# KiCad board IMXDesign.kicad_pcb (continued)
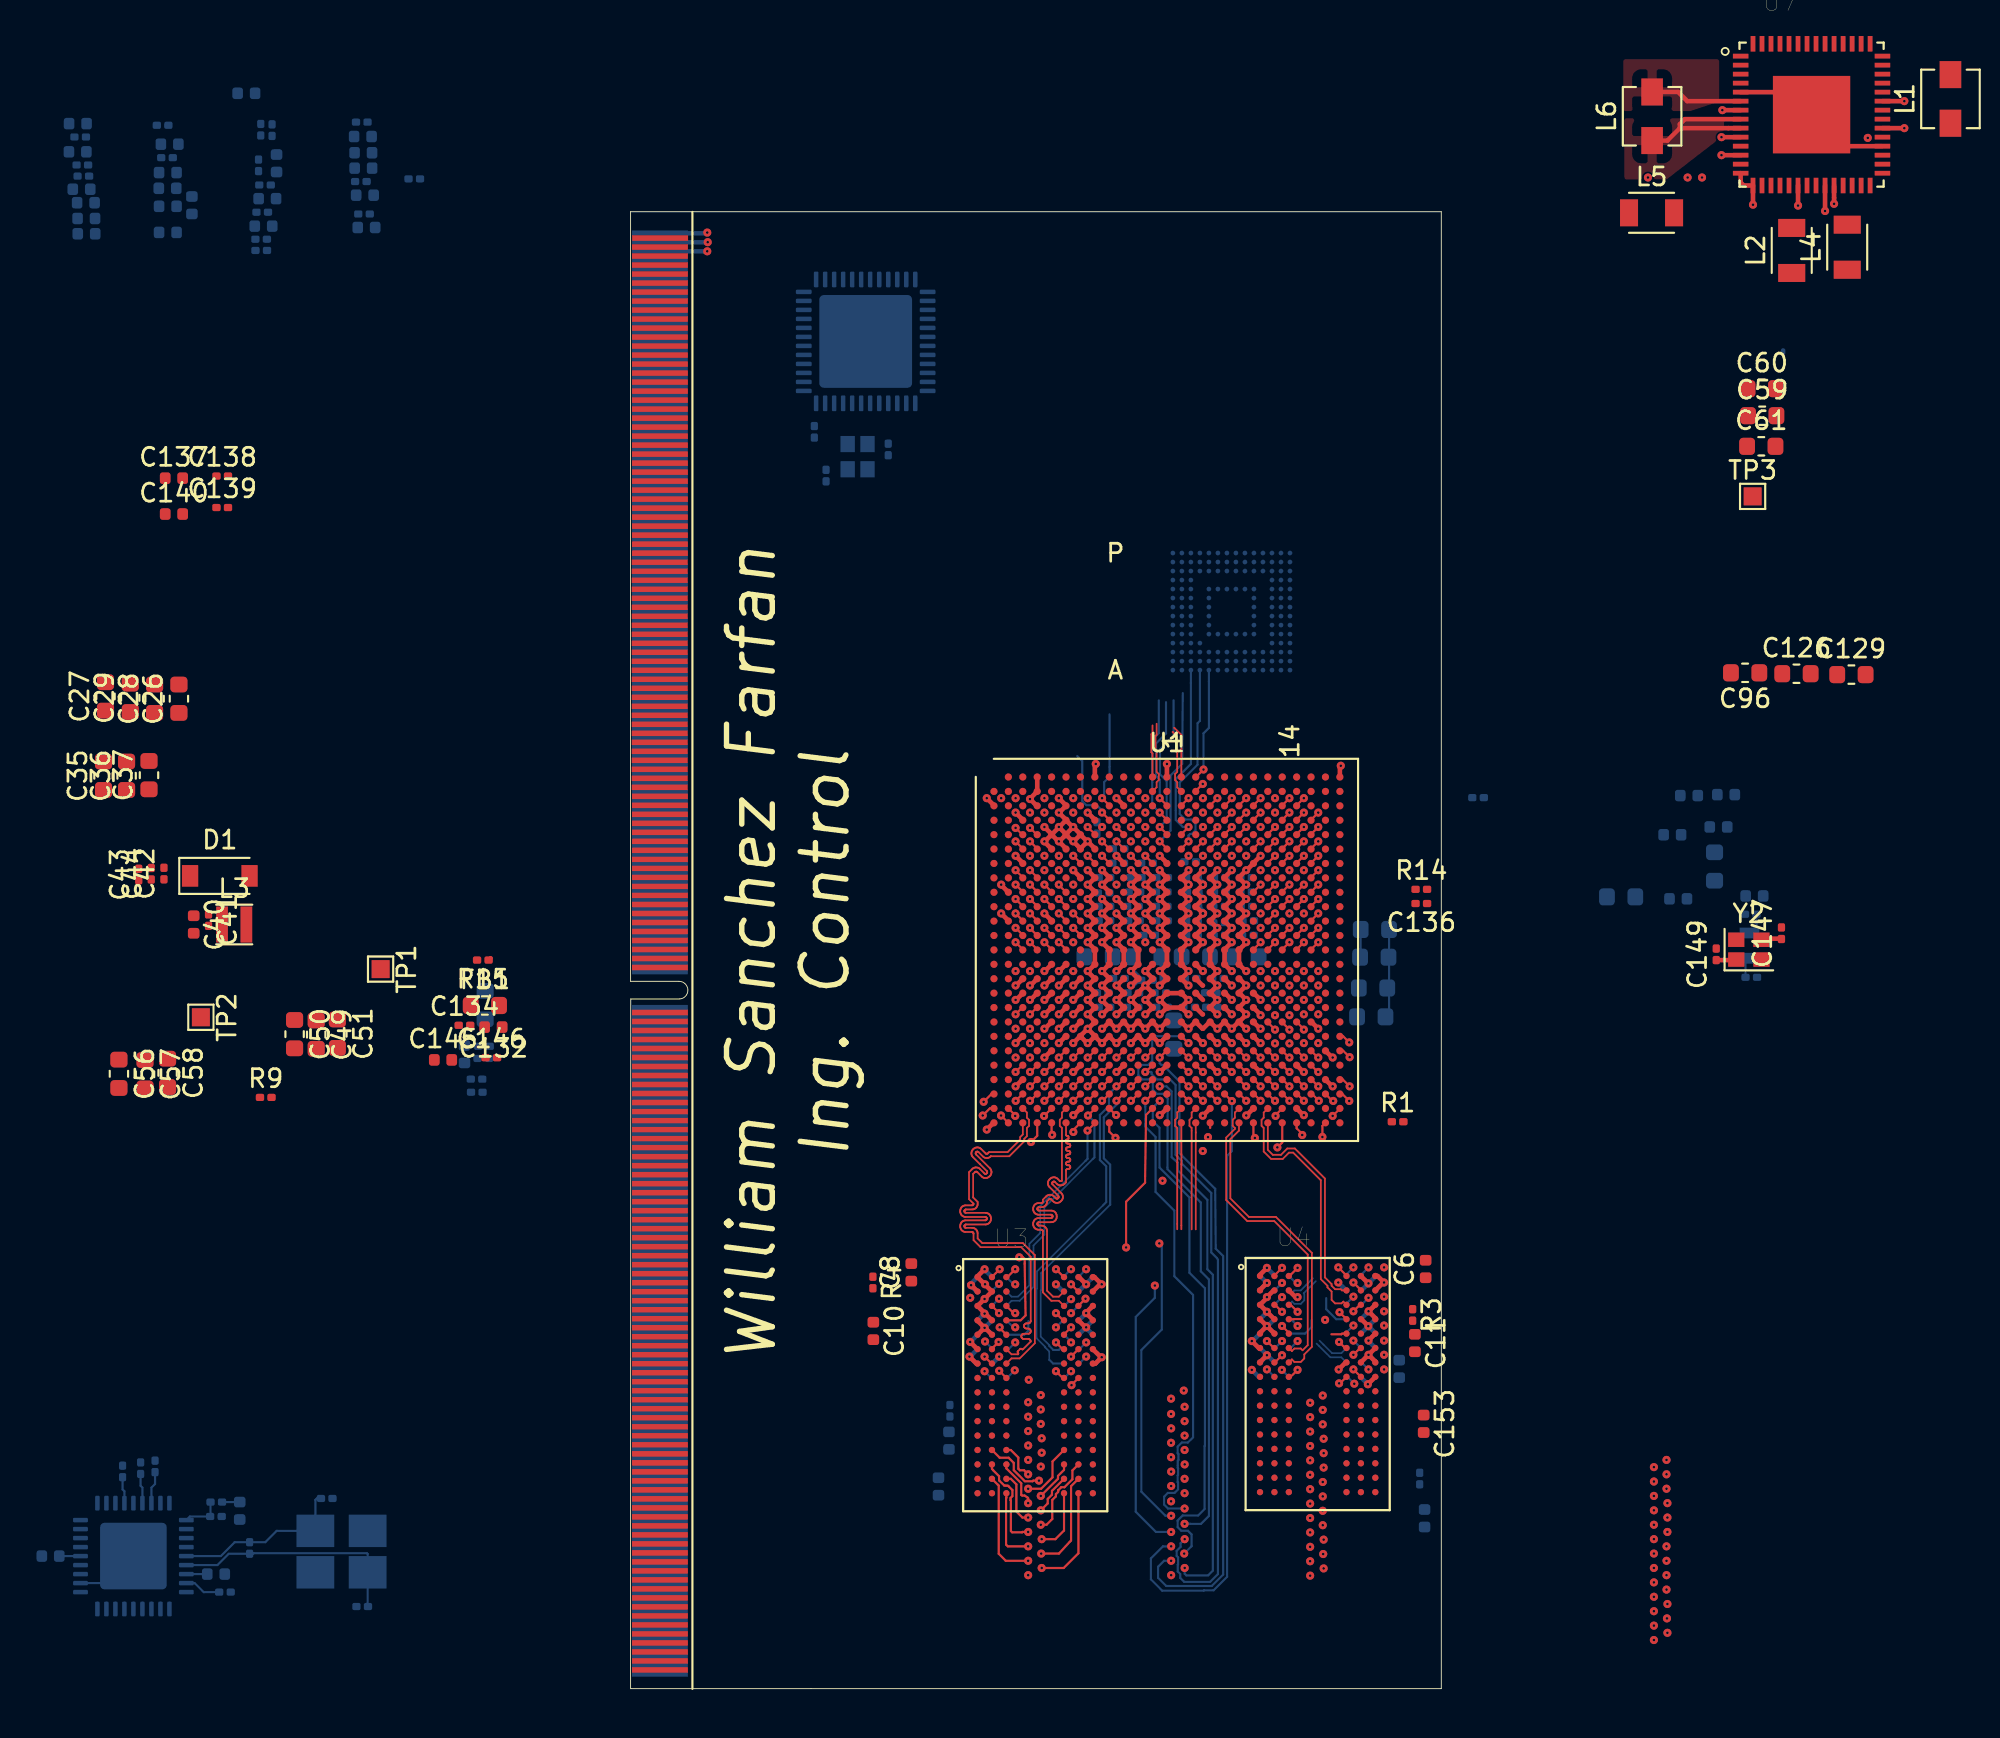
[diagram p0: board, top side]
## Routing (per net, layer and track width the routed paths; a pad name or vN(x,y) marks a point on that pad's centre or on a via; arc(x,y) is an arc through that point) (continued)
/DDR3_Memory/CPU_DDR3/DRAM_D16: length 17
  Top w0.119: U1.AB7 24.59,33.44 v1(24.57,33.44)
  In1.Cu w0.114: v1(24.57,33.44) 24.56,33.44
  In1.Cu w0.119: v1(21.35,20.06) 22.24,20.06 22.72,20.55 22.72,21.14 22.72,21.14 22.72,24.32 23.29,24.89 23.24,28.72 24.12,29.6 24.12,31.96 24.39,32.22 24.75,32.22 24.95,32.42 24.95,32.82 24.57,33.21 v1(24.57,33.44)
  Bottom w0.114: v1(21.35,20.06) 21.25,20.06 U2.D7
/DDR3_Memory/CPU_DDR3/DRAM_D17: length 16.6
  Top w0.119: U1.AA8 25.77,34.64 v1(25.37,34.24)
  In1.Cu w0.119: v1(25.37,34.24) 24.99,33.86 24.39,33.86 24.15,33.62 24.15,32.46 23.91,32.21 23.91,30.08 22.78,28.95 22.78,25.34 22.5,25.06 22.5,22.93 21.22,21.65 v1(20.45,21.65)
  Bottom w0.114: v1(20.45,21.65) 20.06,21.26 U2.C8
/DDR3_Memory/CPU_DDR3/DRAM_D18: length 16.6
  Top w0.119: v1(26.17,33.44) 26.19,33.44 U1.AB9
  In1.Cu w0.119: v1(24.45,21.62) 24.06,22.01 24.06,23.74 24.33,24 24.33,24.45 24.33,24.46 24.33,24.47 24.34,24.48 24.34,24.49 24.35,24.5 24.36,24.5 24.39,24.5 24.4,24.5 24.41,24.51 24.41,24.52 24.42,24.53 24.42,24.54 24.42,24.55 24.42,24.75 24.42,24.76 24.42,24.77 24.41,24.78 24.41,24.79 24.4,24.8 24.39,24.8 24.38,24.8 24.28,24.8 24.26,24.8 24.25,24.8 24.24,24.81 24.24,24.82 24.23,24.83 24.23,24.84 24.22,24.85 24.22,25.05 24.23,25.06 24.23,25.07 24.24,25.08 24.24,25.09 24.25,25.1 24.26,25.1 24.28,25.1 24.38,25.1 24.39,25.1 24.4,25.1 24.41,25.11 24.41,25.12 24.42,25.13 24.42,25.14 24.42,25.15 24.42,25.35 24.42,25.36 24.42,25.37 24.41,25.38 24.41,25.39 24.4,25.4 24.39,25.4 24.38,25.4 24.28,25.4 24.26,25.4 24.25,25.4 24.24,25.41 24.24,25.42 24.23,25.43 24.23,25.44 24.22,25.45 24.22,25.65 24.23,25.66 24.23,25.67 24.24,25.68 24.24,25.69 24.25,25.7 24.26,25.7 24.28,25.7 24.38,25.7 24.39,25.7 24.4,25.7 24.41,25.71 24.41,25.72 24.42,25.73 24.42,25.74 24.42,25.75 24.42,25.95 24.42,25.96 24.42,25.97 24.41,25.98 24.41,25.99 24.4,26 24.39,26 24.38,26 24.28,26 24.26,26 24.25,26 24.24,26.01 24.24,26.02 24.23,26.03 24.23,26.04 24.22,26.05 24.22,26.25 24.23,26.26 24.23,26.27 24.24,26.28 24.24,26.29 24.25,26.3 24.26,26.3 24.28,26.3 24.38,26.3 24.39,26.3 24.4,26.3 24.41,26.31 24.41,26.32 24.42,26.33 24.42,26.34 24.42,26.35 24.42,26.55 24.42,26.56 24.42,26.57 24.41,26.58 24.41,26.59 24.4,26.6 24.39,26.6 24.38,26.6 24.28,26.6 24.26,26.6 24.25,26.6 24.24,26.61 24.24,26.62 24.23,26.63 24.23,26.64 24.22,26.65 24.22,26.85 24.23,26.86 24.23,26.87 24.24,26.88 24.24,26.89 24.25,26.9 24.26,26.9 24.28,26.9 24.38,26.9 24.39,26.9 24.4,26.9 24.41,26.91 24.41,26.92 24.42,26.93 24.42,26.94 24.42,26.95 24.42,27.15 24.42,27.16 24.42,27.17 24.41,27.18 24.41,27.19 24.4,27.2 24.39,27.2 24.38,27.2 24.28,27.2 24.26,27.2 24.25,27.2 24.24,27.21 24.24,27.22 24.23,27.23 24.23,27.24 24.22,27.25 24.22,27.45 24.23,27.46 24.23,27.47 24.24,27.48 24.24,27.49 24.25,27.5 24.26,27.5 24.29,27.5 24.3,27.5 24.31,27.51 24.31,27.52 24.32,27.53 24.32,27.54 24.33,27.55 24.33,28.1 24.33,28.11 24.34,28.11 24.35,28.11 24.37,28.11 24.38,28.11 24.39,28.11 24.4,28.09 24.41,28.09 24.43,28.09 24.44,28.09 24.45,28.09 24.46,28.09 24.47,28.1 24.61,28.24 24.61,28.25 24.62,28.26 24.62,28.27 24.62,28.28 24.62,28.29 24.61,28.3 24.61,28.31 24.54,28.38 24.53,28.39 24.53,28.4 24.52,28.41 24.52,28.42 24.53,28.43 24.53,28.44 24.54,28.45 24.68,28.59 24.69,28.6 24.7,28.61 24.71,28.61 24.72,28.61 24.73,28.61 24.74,28.6 24.76,28.59 24.77,28.58 24.78,28.58 24.79,28.58 24.8,28.58 24.81,28.59 24.83,28.6 24.84,28.61 24.85,28.61 24.86,28.61 24.87,28.61 24.88,28.6 24.9,28.59 24.91,28.58 24.92,28.58 24.93,28.58 24.94,28.58 24.95,28.59 24.96,28.59 25.1,28.74 25.11,28.75 25.11,28.76 25.12,28.77 25.12,28.78 25.11,28.79 25.11,28.8 25.1,28.81 25.03,28.88 25.03,28.89 25.02,28.9 25.02,28.91 25.02,28.92 25.02,28.93 25.03,28.94 25.03,28.95 25.17,29.09 25.18,29.1 25.19,29.1 25.2,29.1 25.21,29.1 25.23,29.1 25.24,29.1 25.25,29.08 25.26,29.08 25.27,29.08 25.29,29.08 25.3,29.08 25.31,29.08 25.31,29.09 25.32,29.1 25.33,29.11 25.33,29.12 25.33,29.13 25.33,29.14 25.32,29.15 25.31,29.17 25.3,29.18 25.3,29.19 25.3,29.2 25.3,29.21 25.31,29.22 25.31,29.23 25.46,29.37 25.47,29.38 25.48,29.38 25.49,29.39 25.5,29.39 25.51,29.38 25.52,29.38 25.54,29.37 25.55,29.36 25.56,29.36 25.57,29.36 25.58,29.36 25.59,29.37 25.6,29.37 25.74,29.51 25.75,29.52 25.75,29.53 25.75,29.54 25.75,29.56 25.75,29.57 25.75,29.58 25.73,29.59 25.73,29.6 25.72,29.61 25.72,29.63 25.73,29.64 25.73,29.65 25.74,29.66 25.88,29.8 25.89,29.8 25.9,29.81 25.91,29.81 25.92,29.81 25.93,29.81 25.94,29.8 25.96,29.79 25.97,29.79 25.98,29.78 25.99,29.78 26,29.79 26.01,29.79 26.02,29.8 26.53,30.3 26.53,31.6 26.55,31.63 26.55,33.06 v1(26.17,33.44)
  Bottom w0.114: U2.C3 24.02,21.25
  Bottom w0.119: U2.C3 24.08,21.25 v1(24.45,21.62)
/DDR3_Memory/CPU_DDR3/DRAM_D19: length 16.5
  Top w0.119: v1(26.17,35.04) 26.19,35.04 U1.Y9
  In1.Cu w0.119: v1(25.29,23.29) 25.51,23.51 25.51,26.25 25.51,26.27 25.5,26.28 25.5,26.3 25.48,26.31 25.47,26.32 25.45,26.32 25.42,26.33 25.4,26.33 25.39,26.34 25.38,26.35 25.37,26.37 25.36,26.38 25.36,26.4 25.36,26.7 25.36,26.72 25.37,26.73 25.38,26.75 25.39,26.76 25.4,26.77 25.42,26.77 25.44,26.78 25.59,26.78 25.6,26.78 25.62,26.78 25.63,26.79 25.65,26.8 25.65,26.82 25.66,26.83 25.66,26.85 25.66,27.15 25.66,27.17 25.65,27.18 25.65,27.2 25.63,27.21 25.62,27.22 25.6,27.22 25.59,27.23 25.44,27.23 25.42,27.23 25.4,27.23 25.39,27.24 25.38,27.25 25.37,27.27 25.36,27.28 25.36,27.3 25.36,27.6 25.36,27.62 25.37,27.63 25.38,27.65 25.39,27.66 25.4,27.67 25.42,27.67 25.45,27.68 25.47,27.68 25.48,27.69 25.5,27.7 25.5,27.72 25.51,27.73 25.51,27.75 25.51,28.05 25.75,28.29 25.76,28.3 25.78,28.31 25.8,28.31 25.81,28.31 25.83,28.31 25.84,28.3 25.87,28.28 25.88,28.27 25.9,28.27 25.92,28.27 25.93,28.27 25.95,28.28 25.96,28.29 26.17,28.5 26.19,28.51 26.19,28.53 26.2,28.55 26.2,28.56 26.19,28.58 26.19,28.59 26.17,28.61 26.07,28.71 26.06,28.73 26.05,28.74 26.05,28.76 26.05,28.78 26.05,28.79 26.06,28.81 26.07,28.82 26.28,29.03 26.29,29.04 26.31,29.05 26.33,29.05 26.34,29.05 26.36,29.05 26.37,29.04 26.4,29.02 26.42,29.01 26.43,29.01 26.45,29.01 26.46,29.01 26.48,29.02 26.49,29.03 27.38,29.91 27.38,30.16 28.15,30.94 28.15,33.62 27.92,33.86 27.59,33.86 27.35,34.09 27.35,34.42 27.12,34.66 26.55,34.66 v1(26.17,35.04)
  Bottom w0.114: v1(25.29,23.29) 24.86,22.86 U2.A2
/DDR3_Memory/CPU_DDR3/DRAM_D20: length 16.5
  Top w0.119: v1(24.57,35.04) 24.59,35.04 U1.Y7
  In1.Cu w0.119: v1(20.45,22.47) 20.77,22.47 21.2,22.9 21.53,22.9 22.02,23.38 22.02,29.18 22.06,29.23 22.08,29.28 22.8,30 22.8,31.38 22.57,31.61 22.57,33.6 22.79,33.82 23.15,33.82 23.39,34.06 23.39,34.42 23.62,34.66 23.95,34.66 24.34,35.04 v1(24.57,35.04)
  Bottom w0.114: v1(20.45,22.47) 20.06,22.08 U2.B8 20.05,22.05
/DDR3_Memory/CPU_DDR3/DRAM_D21: length 16.5
  Top w0.119: U1.Y8 25.39,35.04 v1(25.37,35.04)
  In1.Cu w0.114: 22.24,24.66 22.24,23.02 21.67,22.45 v1(21.35,22.45) ; 23.35,31.36 23.35,33.62 23.59,33.86 23.95,33.86 24.15,34.06 24.15,34.42 24.35,34.62 24.72,34.62 25.14,35.04 v1(25.37,35.04)
  In1.Cu w0.119: 22.24,24.66 22.24,25.11 22.35,25.22 22.35,27.88 22.35,27.9 22.36,27.91 22.37,27.92 22.38,27.93 22.39,27.94 22.4,27.95 22.43,27.95 22.45,27.96 22.46,27.97 22.47,27.98 22.48,27.99 22.49,28 22.49,28.02 22.49,28.48 22.49,28.5 22.48,28.51 22.47,28.52 22.46,28.53 22.45,28.54 22.43,28.55 22.42,28.55 22.3,28.55 22.29,28.55 22.28,28.55 22.27,28.56 22.26,28.57 22.25,28.58 22.25,28.59 22.25,28.6 22.25,29.1 22.25,29.11 22.25,29.12 22.26,29.13 22.27,29.14 22.28,29.15 22.29,29.15 22.31,29.15 22.32,29.15 22.33,29.16 22.34,29.17 22.35,29.18 22.35,29.19 22.35,29.2 23.02,29.87 23.02,31.03 23.35,31.36
  Bottom w0.114: v1(21.35,22.45) 21.26,22.45 U2.A7
/DDR3_Memory/CPU_DDR3/DRAM_D22: length 16.5
  Top w0.119: U1.AC8 25.39,32.64 v1(25.37,32.64)
  In1.Cu w0.119: v1(24.45,20.85) 24.15,20.85 24,21 24,21.03 23.78,21.25 23.25,21.25 22.94,21.56 22.94,21.57 22.94,21.58 22.95,21.59 22.96,21.6 22.97,21.61 22.98,21.61 23,21.61 23.01,21.62 23.02,21.62 23.03,21.63 23.03,21.64 23.04,21.65 23.04,21.66 23.04,21.8 23.04,21.81 23.03,21.82 23.03,21.83 23.02,21.84 23.01,21.85 23,21.85 22.98,21.85 22.97,21.85 22.96,21.86 22.95,21.87 22.94,21.88 22.94,21.89 22.94,21.9 22.94,24.23 22.95,24.24 22.97,24.25 22.98,24.25 23,24.25 23.02,24.25 23.03,24.24 23.06,24.22 23.07,24.21 23.09,24.21 23.11,24.21 23.12,24.21 23.14,24.22 23.15,24.23 23.21,24.29 23.22,24.3 23.23,24.32 23.23,24.34 23.23,24.35 23.23,24.37 23.22,24.38 23.2,24.41 23.2,24.43 23.19,24.44 23.19,24.46 23.2,24.47 23.2,24.49 23.21,24.5 23.51,24.8 23.47,27.7 23.47,28.14 23.51,28.17 23.52,28.18 23.53,28.2 23.53,28.22 23.53,28.23 23.53,28.25 23.52,28.26 23.5,28.29 23.49,28.3 23.49,28.32 23.49,28.34 23.49,28.35 23.5,28.37 23.51,28.38 23.57,28.45 23.59,28.46 23.6,28.46 23.62,28.47 23.63,28.47 23.65,28.46 23.67,28.46 23.69,28.43 23.71,28.43 23.72,28.42 23.74,28.42 23.76,28.43 23.77,28.43 23.78,28.45 23.85,28.51 23.86,28.52 23.87,28.54 23.87,28.55 23.87,28.57 23.87,28.59 23.86,28.6 23.84,28.63 23.83,28.64 23.83,28.66 23.83,28.67 23.83,28.69 23.84,28.71 23.85,28.72 23.91,28.78 23.92,28.79 23.94,28.8 23.96,28.8 23.97,28.8 23.99,28.8 24,28.79 24.03,28.77 24.04,28.76 24.06,28.76 24.08,28.76 24.09,28.76 24.11,28.77 24.12,28.78 24.19,28.85 24.2,28.86 24.2,28.87 24.21,28.89 24.21,28.91 24.2,28.92 24.2,28.94 24.18,28.96 24.17,28.98 24.16,29 24.16,29.01 24.17,29.03 24.18,29.04 24.19,29.06 24.25,29.12 24.26,29.13 24.28,29.14 24.29,29.14 24.31,29.14 24.33,29.14 24.34,29.13 24.37,29.11 24.38,29.1 24.4,29.1 24.42,29.1 24.43,29.1 24.45,29.11 24.46,29.12 24.96,29.62 24.96,29.64 24.95,29.65 24.94,29.67 24.93,29.68 24.92,29.69 24.9,29.69 24.87,29.7 24.85,29.7 24.84,29.71 24.83,29.72 24.82,29.74 24.81,29.75 24.81,29.77 24.81,29.86 24.81,29.88 24.82,29.89 24.83,29.91 24.84,29.92 24.85,29.93 24.87,29.93 24.89,29.93 24.96,29.93 25.03,29.93 25.05,29.94 25.07,29.94 25.08,29.95 25.09,29.96 25.1,29.98 25.11,29.99 25.11,30.01 25.11,30.1 25.11,30.12 25.1,30.13 25.09,30.14 25.08,30.16 25.07,30.17 25.05,30.17 25.03,30.17 24.89,30.17 24.87,30.17 24.85,30.18 24.84,30.19 24.83,30.2 24.82,30.22 24.81,30.23 24.81,30.25 24.81,30.34 24.81,30.35 24.82,30.37 24.83,30.38 24.84,30.4 24.85,30.4 24.87,30.41 24.9,30.41 24.92,30.42 24.93,30.43 24.94,30.44 24.95,30.45 24.96,30.47 24.96,30.49 24.96,31.96 25.2,32.21 25.26,32.21 25.37,32.32 v1(25.37,32.64)
  Bottom w0.114: v1(24.45,20.85) 24.85,21.25 U2.C2
/DDR3_Memory/CPU_DDR3/DRAM_D23: length 16.5
  Top w0.119: v1(26.17,34.24) 26.19,34.24 U1.AA9
  In1.Cu w0.119: v1(24.45,23.29) 25.08,23.91 25.08,23.93 25.08,23.95 25.09,23.96 25.1,23.97 25.12,23.98 25.13,23.99 25.17,23.99 25.18,24 25.2,24 25.21,24.02 25.22,24.03 25.22,24.05 25.22,24.06 25.22,24.21 25.22,24.23 25.22,24.25 25.21,24.26 25.2,24.27 25.18,24.28 25.17,24.29 25.15,24.29 25,24.29 24.98,24.29 24.97,24.3 24.95,24.3 24.94,24.32 24.93,24.33 24.93,24.35 24.92,24.36 24.92,24.51 24.93,24.53 24.93,24.55 24.94,24.56 24.95,24.57 24.97,24.58 24.98,24.59 25,24.59 25.15,24.59 25.17,24.59 25.18,24.6 25.2,24.6 25.21,24.62 25.22,24.63 25.22,24.65 25.22,24.66 25.22,24.81 25.22,24.83 25.22,24.85 25.21,24.86 25.2,24.87 25.18,24.88 25.17,24.89 25.15,24.89 25,24.89 24.98,24.89 24.97,24.9 24.95,24.9 24.94,24.92 24.93,24.93 24.93,24.95 24.92,24.96 24.92,25.11 24.93,25.13 24.93,25.15 24.94,25.16 24.95,25.17 24.97,25.18 24.98,25.19 25,25.19 25.15,25.19 25.17,25.19 25.18,25.2 25.2,25.2 25.21,25.22 25.22,25.23 25.22,25.25 25.22,25.26 25.22,25.41 25.22,25.43 25.22,25.45 25.21,25.46 25.2,25.47 25.18,25.48 25.17,25.49 25.15,25.49 25,25.49 24.98,25.49 24.97,25.5 24.95,25.5 24.94,25.52 24.93,25.53 24.93,25.55 24.92,25.56 24.92,25.71 24.93,25.73 24.93,25.75 24.94,25.76 24.95,25.77 24.97,25.78 24.98,25.79 25,25.79 25.15,25.79 25.17,25.79 25.18,25.8 25.2,25.8 25.21,25.82 25.22,25.83 25.22,25.85 25.22,25.86 25.22,26.01 25.22,26.03 25.22,26.05 25.21,26.06 25.2,26.07 25.18,26.08 25.17,26.09 25.15,26.09 25,26.09 24.98,26.09 24.97,26.1 24.95,26.1 24.94,26.12 24.93,26.13 24.93,26.15 24.92,26.16 24.92,26.31 24.93,26.33 24.93,26.35 24.94,26.36 24.95,26.37 24.97,26.38 24.98,26.39 25.02,26.39 25.03,26.4 25.05,26.4 25.06,26.42 25.07,26.43 25.07,26.45 25.08,26.46 25.07,26.48 25.07,26.5 25.06,26.51 25.05,26.52 25.03,26.53 25.02,26.54 24.98,26.54 24.97,26.55 24.95,26.55 24.94,26.57 24.93,26.58 24.93,26.6 24.92,26.61 24.92,26.76 24.93,26.78 24.93,26.8 24.94,26.81 24.95,26.82 24.97,26.83 24.98,26.84 25,26.84 25.12,26.84 25.14,26.84 25.15,26.84 25.16,26.85 25.16,26.86 25.17,26.87 25.17,26.88 25.17,26.89 25.17,27.09 25.17,27.1 25.17,27.11 25.16,27.12 25.16,27.13 25.15,27.13 25.14,27.14 25.12,27.14 25,27.14 24.98,27.14 24.97,27.15 24.95,27.15 24.94,27.17 24.93,27.18 24.93,27.2 24.92,27.21 24.92,27.36 24.93,27.38 24.93,27.4 24.94,27.41 24.95,27.42 24.97,27.43 24.98,27.44 25.02,27.44 25.03,27.45 25.05,27.45 25.06,27.47 25.07,27.48 25.07,27.5 25.08,27.51 25.08,28.12 27.35,30.46 27.35,33.62 27.12,33.86 26.55,33.86 v1(26.17,34.24)
  Bottom w0.114: U2.A3 24.06,22.9 v1(24.45,23.29)
/DDR3_Memory/CPU_DDR3/DRAM_D24: length 26.2
  Top w0.119: 26.57,31.28 U1.AE9 26.57,30.93 v1(26.91,30.58)
  In2.Cu w0.119: v1(24.45,19.22) 24.72,19.22 25.1,18.84 25.72,18.84 25.93,19.05 26.25,19.05 26.56,19.36 26.58,19.38 26.59,19.41 26.6,19.44 26.6,19.46 26.59,19.49 26.58,19.52 26.56,19.54 26.53,19.57 26.51,19.59 26.5,19.62 26.49,19.64 26.49,19.67 26.5,19.7 26.51,19.73 26.53,19.75 26.55,19.76 26.58,19.78 26.6,19.78 26.63,19.78 26.66,19.78 26.68,19.76 26.71,19.75 26.9,19.56 26.91,19.54 26.93,19.53 26.95,19.53 26.98,19.53 27,19.53 27.02,19.54 27.03,19.56 27.07,19.6 27.09,19.61 27.1,19.63 27.1,19.65 27.1,19.68 27.1,19.7 27.09,19.72 27.07,19.73 26.88,19.92 26.87,19.95 26.85,19.97 26.85,20 26.85,20.03 26.85,20.05 26.87,20.08 26.88,20.1 26.91,20.12 26.93,20.13 26.96,20.14 26.99,20.14 27.01,20.13 27.04,20.12 27.06,20.1 27.09,20.07 27.11,20.05 27.14,20.04 27.17,20.03 27.19,20.03 27.22,20.04 27.25,20.05 27.27,20.07 27.27,20.77 27.27,20.79 27.26,20.8 27.25,20.81 27.24,20.83 27.23,20.83 27.21,20.84 27.18,20.84 27.16,20.85 27.15,20.86 27.14,20.87 27.13,20.88 27.13,20.9 27.12,20.91 27.12,21.02 27.13,21.04 27.13,21.05 27.14,21.06 27.15,21.08 27.16,21.08 27.18,21.09 27.21,21.09 27.23,21.1 27.24,21.11 27.25,21.12 27.26,21.13 27.27,21.15 27.27,21.16 27.27,21.27 27.27,21.29 27.26,21.3 27.25,21.31 27.24,21.33 27.23,21.33 27.21,21.34 27.18,21.34 27.16,21.35 27.15,21.36 27.14,21.37 27.13,21.38 27.13,21.4 27.12,21.41 27.12,21.52 27.13,21.54 27.13,21.55 27.14,21.56 27.15,21.58 27.16,21.58 27.18,21.59 27.21,21.59 27.23,21.6 27.24,21.61 27.25,21.62 27.26,21.63 27.27,21.65 27.27,21.66 27.27,21.77 27.27,21.79 27.26,21.8 27.25,21.81 27.24,21.83 27.23,21.83 27.21,21.84 27.18,21.84 27.16,21.85 27.15,21.86 27.14,21.87 27.13,21.88 27.13,21.9 27.12,21.91 27.12,22.02 27.13,22.04 27.13,22.05 27.14,22.06 27.15,22.08 27.16,22.08 27.18,22.09 27.21,22.09 27.23,22.1 27.24,22.11 27.25,22.12 27.26,22.13 27.27,22.15 27.27,22.16 27.27,22.27 27.27,22.29 27.26,22.3 27.25,22.31 27.24,22.33 27.23,22.33 27.21,22.34 27.18,22.34 27.16,22.35 27.15,22.36 27.14,22.37 27.13,22.38 27.13,22.4 27.12,22.41 27.12,22.52 27.13,22.54 27.13,22.55 27.14,22.56 27.15,22.58 27.16,22.58 27.18,22.59 27.21,22.59 27.23,22.6 27.24,22.61 27.25,22.62 27.26,22.63 27.27,22.65 27.27,22.66 27.27,22.77 27.27,22.79 27.26,22.8 27.25,22.81 27.24,22.83 27.23,22.83 27.21,22.84 27.18,22.84 27.16,22.85 27.15,22.86 27.14,22.87 27.13,22.88 27.13,22.9 27.12,22.91 27.12,23.02 27.13,23.04 27.13,23.05 27.14,23.06 27.15,23.08 27.16,23.08 27.18,23.09 27.21,23.09 27.23,23.1 27.24,23.11 27.25,23.12 27.26,23.13 27.27,23.15 27.27,23.16 27.27,23.27 27.27,23.29 27.26,23.3 27.25,23.31 27.24,23.33 27.23,23.33 27.21,23.34 27.18,23.34 27.16,23.35 27.15,23.36 27.14,23.37 27.13,23.38 27.13,23.4 27.12,23.41 27.12,23.52 27.13,23.54 27.13,23.55 27.14,23.56 27.15,23.58 27.16,23.58 27.18,23.59 27.21,23.59 27.23,23.6 27.24,23.61 27.25,23.62 27.26,23.63 27.27,23.65 27.27,23.66 27.27,23.77 27.27,23.79 27.26,23.8 27.25,23.81 27.24,23.83 27.23,23.83 27.21,23.84 27.18,23.84 27.16,23.85 27.15,23.86 27.14,23.87 27.13,23.88 27.13,23.9 27.12,23.91 27.12,24.02 27.13,24.04 27.13,24.05 27.14,24.06 27.15,24.08 27.16,24.08 27.18,24.09 27.21,24.09 27.23,24.1 27.24,24.11 27.25,24.12 27.26,24.13 27.27,24.15 27.27,24.16 27.27,24.27 27.27,24.29 27.26,24.3 27.25,24.31 27.24,24.33 27.23,24.33 27.21,24.34 27.18,24.34 27.16,24.35 27.15,24.36 27.14,24.37 27.13,24.38 27.13,24.4 27.12,24.41 27.12,24.52 27.13,24.54 27.13,24.55 27.14,24.56 27.15,24.58 27.16,24.58 27.18,24.59 27.21,24.59 27.23,24.6 27.24,24.61 27.25,24.62 27.26,24.63 27.27,24.65 27.27,24.66 27.27,24.77 27.27,24.79 27.26,24.8 27.25,24.81 27.24,24.83 27.23,24.83 27.21,24.84 27.18,24.84 27.16,24.85 27.15,24.86 27.14,24.87 27.13,24.88 27.13,24.9 27.12,24.91 27.12,25.02 27.13,25.04 27.13,25.05 27.14,25.06 27.15,25.08 27.16,25.08 27.18,25.09 27.21,25.09 27.23,25.1 27.24,25.11 27.25,25.12 27.26,25.13 27.27,25.15 27.27,25.16 27.27,25.27 27.27,25.29 27.26,25.3 27.25,25.31 27.24,25.33 27.23,25.33 27.21,25.34 27.18,25.34 27.16,25.35 27.15,25.36 27.14,25.37 27.13,25.38 27.13,25.4 27.12,25.41 27.12,25.52 27.13,25.54 27.13,25.55 27.14,25.56 27.15,25.58 27.16,25.58 27.18,25.59 27.21,25.59 27.23,25.6 27.24,25.61 27.25,25.62 27.26,25.63 27.27,25.65 27.27,25.66 27.27,25.77 27.27,25.79 27.26,25.8 27.25,25.81 27.24,25.83 27.23,25.83 27.21,25.84 27.18,25.84 27.16,25.85 27.15,25.86 27.14,25.87 27.13,25.88 27.13,25.9 27.12,25.91 27.12,26.02 27.13,26.04 27.13,26.05 27.14,26.06 27.15,26.08 27.16,26.08 27.18,26.09 27.21,26.09 27.23,26.1 27.24,26.11 27.25,26.12 27.26,26.13 27.27,26.15 27.27,26.17 27.27,26.18 27.26,26.2 27.25,26.21 27.24,26.22 27.23,26.23 27.21,26.24 27.18,26.24 27.16,26.25 27.15,26.25 27.14,26.27 27.13,26.28 27.13,26.3 27.12,26.31 27.12,26.42 27.13,26.43 27.13,26.45 27.14,26.46 27.15,26.47 27.16,26.48 27.18,26.49 27.2,26.49 27.39,26.49 27.42,26.49 27.44,26.5 27.47,26.52 27.49,26.54 27.5,26.56 27.51,26.58 27.51,26.61 27.51,26.62 27.51,26.64 27.5,26.67 27.49,26.69 27.47,26.71 27.44,26.73 27.42,26.74 27.39,26.74 27.17,26.74 27.15,26.74 27.13,26.75 27.11,26.76 27.1,26.78 27.08,26.79 27.08,26.81 27.07,26.84 27.07,26.89 27.08,26.91 27.08,26.93 27.1,26.95 27.11,26.97 27.13,26.98 27.15,26.99 27.17,26.99 27.59,26.99 27.62,26.99 27.64,27 27.67,27.02 27.69,27.04 27.7,27.06 27.71,27.09 27.71,27.11 27.71,27.14 27.7,27.17 27.69,27.19 27.67,27.21 27.64,27.23 27.62,27.24 27.59,27.24 26.95,27.24 26.92,27.24 26.89,27.25 26.87,27.27 26.85,27.29 26.84,27.31 26.83,27.34 26.82,27.36 26.83,27.39 26.84,27.42 26.85,27.44 26.87,27.46 26.89,27.48 26.92,27.49 26.95,27.49 27.59,27.49 27.62,27.49 27.64,27.5 27.67,27.52 27.69,27.54 27.7,27.56 27.71,27.59 27.71,27.61 27.71,27.64 27.7,27.67 27.69,27.69 27.67,27.71 27.64,27.73 27.62,27.74 27.59,27.74 26.95,27.74 26.92,27.74 26.89,27.75 26.87,27.77 26.85,27.79 26.84,27.81 26.83,27.84 26.82,27.86 26.83,27.89 26.84,27.92 26.85,27.94 26.87,27.96 26.89,27.98 26.92,27.99 26.95,27.99 27.59,27.99 27.62,27.99 27.64,28 27.67,28.02 27.69,28.04 27.7,28.06 27.71,28.09 27.71,28.11 27.71,28.14 27.7,28.17 27.69,28.19 27.67,28.21 27.64,28.23 27.62,28.24 27.59,28.24 26.95,28.24 26.92,28.24 26.89,28.25 26.87,28.27 26.85,28.29 26.84,28.31 26.83,28.34 26.82,28.36 26.83,28.39 26.84,28.42 26.85,28.44 26.87,28.46 26.89,28.48 26.92,28.49 26.95,28.49 27.14,28.49 27.17,28.49 27.2,28.5 27.22,28.52 27.24,28.54 27.26,28.56 27.27,28.59 27.27,28.61 27.7,29.04 27.7,29.5 27.7,29.51 27.69,29.52 27.69,29.53 27.68,29.54 27.67,29.54 27.66,29.55 27.64,29.55 27.63,29.55 27.62,29.56 27.61,29.57 27.6,29.58 27.6,29.59 27.6,29.6 27.6,29.75 27.6,29.76 27.6,29.77 27.61,29.78 27.62,29.79 27.63,29.79 27.64,29.8 27.66,29.8 27.67,29.8 27.68,29.81 27.69,29.82 27.69,29.83 27.7,29.84 27.7,29.85 27.47,30.07 27.47,31.12 27.38,31.22 27.12,31.22 26.91,31.01 v1(26.91,30.58)
  Bottom w0.119: U2.E3 24.45,19.26 v1(24.45,19.22)
/DDR3_Memory/CPU_DDR3/DRAM_D25: length 26
  Top w0.119: v1(26.97,35.04) 27,35.04 U1.Y10
  In2.Cu w0.114: v1(24.45,17.62) 25.04,17.62 25.67,18.25 25.67,18.48 25.97,18.78 26.62,18.78 27.49,19.65 27.49,26.19 28.15,26.85 28.15,27.45 28.15,27.47 28.14,27.48 28.14,27.49 28.12,27.51 28.11,27.52 28.09,27.52 28.06,27.52 28.05,27.53 28.03,27.54 28.02,27.55 28.01,27.56 28.01,27.58 28,27.6 28,27.85 28.01,27.87 28.01,27.88 28.02,27.89 28.03,27.91 28.05,27.92 28.06,27.92 28.08,27.92 28.28,27.92 28.3,27.93 28.33,27.94 28.35,27.95 28.37,27.97 28.39,27.99 28.4,28.02 28.4,28.05 28.4,28.2 28.4,28.23 28.39,28.25 28.37,28.28 28.35,28.3 28.33,28.31 28.3,28.32 28.28,28.32 28.08,28.32 28.06,28.32 28.05,28.33 28.03,28.34 28.02,28.35 28.01,28.36 28.01,28.38 28,28.4 28,28.65 28.01,28.67 28.01,28.68 28.02,28.69 28.03,28.71 28.05,28.72 28.06,28.72 28.08,28.72 28.28,28.72 28.3,28.73 28.33,28.74 28.35,28.75 28.37,28.77 28.39,28.79 28.4,28.82 28.4,28.85 28.4,29 28.4,29.03 28.39,29.05 28.37,29.08 28.35,29.1 28.33,29.11 28.3,29.12 28.28,29.12 28.08,29.12 28.06,29.12 28.05,29.13 28.03,29.14 28.02,29.15 28.01,29.16 28.01,29.18 28,29.2 28,29.45 28.01,29.47 28.01,29.48 28.02,29.49 28.03,29.51 28.05,29.52 28.06,29.52 28.08,29.52 28.28,29.52 28.3,29.53 28.33,29.54 28.35,29.55 28.37,29.57 28.39,29.59 28.4,29.62 28.4,29.65 28.4,29.8 28.4,29.83 28.39,29.85 28.37,29.88 28.35,29.9 28.33,29.91 28.3,29.92 28.28,29.92 28,29.92 27.97,29.93 27.94,29.94 27.91,29.96 27.89,29.98 27.87,30.01 27.86,30.04 27.85,30.07 27.85,30.17 27.86,30.21 27.87,30.24 27.89,30.27 27.91,30.29 27.94,30.31 27.97,30.32 28,30.32 28.3,30.32 28.33,30.33 28.37,30.34 28.39,30.36 28.42,30.38 28.44,30.41 28.45,30.44 28.45,30.47 28.45,30.57 28.45,30.61 28.44,30.64 28.42,30.67 28.39,30.69 28.37,30.71 28.33,30.72 28.3,30.72 28,30.72 27.97,30.73 27.94,30.74 27.91,30.76 27.89,30.78 27.87,30.81 27.86,30.84 27.85,30.87 27.85,30.97 27.86,31.01 27.87,31.04 27.89,31.07 27.91,31.09 27.94,31.11 27.97,31.12 28,31.12 28.3,31.12 28.33,31.13 28.37,31.14 28.39,31.16 28.42,31.18 28.44,31.21 28.45,31.24 28.45,31.27 28.45,31.37 28.45,31.41 28.44,31.44 28.42,31.47 28.39,31.49 28.37,31.51 28.33,31.52 28.3,31.52 28,31.52 27.97,31.53 27.94,31.54 27.91,31.56 27.89,31.58 27.87,31.61 27.86,31.64 27.85,31.67 27.85,31.77 27.86,31.81 27.87,31.84 27.89,31.87 27.91,31.89 27.94,31.91 27.97,31.92 28,31.92 28.15,31.92 28.15,31.92 28.3,31.92 28.33,31.93 28.37,31.94 28.39,31.96 28.42,31.98 28.44,32.01 28.45,32.04 28.45,32.07 28.45,32.17 28.45,32.21 28.44,32.24 28.42,32.27 28.39,32.29 28.37,32.31 28.33,32.32 28.27,32.33 28.24,32.34 28.21,32.36 28.18,32.38 28.17,32.41 28.16,32.44 28.15,32.47 28.15,33.65 27.94,33.86 27.59,33.86 27.35,34.09 27.35,34.66 v1(26.97,35.04)
  Bottom w0.119: v1(24.45,17.62) 24.08,17.25 U2.H3
/DDR3_Memory/CPU_DDR3/DRAM_D26: length 24.1
  In2.Cu w0.119: 29.01,29.78 29.01,26.29 28.33,25.6 28.33,24.85 28.33,24.83 28.33,24.82 28.34,24.8 28.35,24.79 28.37,24.78 28.38,24.78 28.42,24.77 28.43,24.77 28.44,24.76 28.46,24.75 28.47,24.73 28.47,24.72 28.47,24.7 28.47,24.61 28.47,24.59 28.47,24.58 28.46,24.57 28.44,24.55 28.43,24.54 28.42,24.54 28.38,24.54 28.37,24.53 28.35,24.52 28.34,24.51 28.33,24.5 28.33,24.48 28.33,24.46 28.33,24.37 28.33,24.36 28.33,24.34 28.34,24.33 28.35,24.31 28.37,24.31 28.38,24.3 28.42,24.3 28.43,24.29 28.44,24.28 28.46,24.27 28.47,24.26 28.47,24.24 28.47,24.23 28.47,24.13 28.47,24.12 28.47,24.1 28.46,24.09 28.44,24.08 28.43,24.07 28.42,24.06 28.38,24.06 28.37,24.05 28.35,24.04 28.34,24.03 28.33,24.02 28.33,24 28.33,23.99 28.33,23.89 28.33,23.88 28.33,23.86 28.34,23.85 28.35,23.84 28.37,23.83 28.38,23.82 28.42,23.82 28.43,23.81 28.44,23.81 28.46,23.79 28.47,23.78 28.47,23.76 28.47,23.75 28.47,23.66 28.47,23.64 28.47,23.62 28.46,23.61 28.44,23.6 28.43,23.59 28.42,23.58 28.4,23.58 28.33,23.58 28.28,23.58 28.26,23.58 28.25,23.58 28.24,23.57 28.24,23.56 28.23,23.55 28.23,23.54 28.22,23.53 28.22,23.39 28.23,23.38 28.23,23.37 28.24,23.36 28.24,23.35 28.25,23.35 28.26,23.34 28.28,23.34 28.4,23.34 28.42,23.34 28.43,23.34 28.44,23.33 28.46,23.31 28.47,23.3 28.47,23.29 28.47,23.27 28.47,23.18 28.47,23.16 28.47,23.15 28.46,23.13 28.44,23.12 28.43,23.11 28.42,23.11 28.38,23.1 28.37,23.1 28.35,23.09 28.34,23.08 28.33,23.06 28.33,23.05 28.33,23.03 28.33,23.01 28.33,23 28.34,22.98 28.35,22.97 28.37,22.96 28.38,22.96 28.42,22.95 28.43,22.95 28.44,22.94 28.46,22.93 28.47,22.91 28.47,22.9 28.47,22.88 28.47,22.79 28.47,22.77 28.47,22.76 28.46,22.74 28.44,22.73 28.43,22.72 28.42,22.72 28.4,22.72 28.33,22.72 28.33,22.71 28.28,22.71 28.26,22.71 28.25,22.71 28.24,22.7 28.24,22.7 28.23,22.69 28.23,22.68 28.22,22.66 28.22,22.53 28.23,22.52 28.23,22.5 28.24,22.49 28.24,22.49 28.25,22.48 28.26,22.48 28.28,22.48 28.4,22.48 28.42,22.47 28.43,22.47 28.44,22.46 28.46,22.45 28.47,22.43 28.47,22.42 28.47,22.4 28.47,22.31 28.47,22.29 28.47,22.28 28.46,22.27 28.44,22.25 28.43,22.24 28.42,22.24 28.38,22.24 28.37,22.23 28.35,22.22 28.34,22.21 28.33,22.2 28.33,22.18 28.33,22.16 28.33,22.15 28.33,22.13 28.34,22.12 28.35,22.1 28.37,22.1 28.38,22.09 28.42,22.09 28.43,22.08 28.44,22.07 28.46,22.06 28.47,22.05 28.47,22.03 28.47,22.02 28.47,21.92 28.47,21.91 28.47,21.89 28.46,21.88 28.44,21.87 28.43,21.86 28.42,21.85 28.38,21.85 28.37,21.84 28.35,21.83 28.34,21.82 28.33,21.81 28.33,21.79 28.33,21.78 28.33,21.68 28.33,21.67 28.33,21.65 28.34,21.64 28.35,21.63 28.37,21.62 28.38,21.61 28.42,21.61 28.43,21.6 28.44,21.6 28.46,21.58 28.47,21.57 28.47,21.55 28.47,21.54 28.47,21.45 28.47,21.43 28.47,21.41 28.46,21.4 28.44,21.39 28.43,21.38 28.42,21.37 28.38,21.37 28.37,21.37 28.35,21.36 28.34,21.34 28.33,21.33 28.33,21.32 28.33,21.3 28.33,21.21 28.33,21.19 28.33,21.18 28.34,21.16 28.35,21.15 28.37,21.14 28.38,21.14 28.42,21.13 28.43,21.13 28.44,21.12 28.46,21.11 28.47,21.09 28.47,21.08 28.47,21.06 28.47,20.97 28.47,20.95 28.47,20.94 28.46,20.92 28.44,20.91 28.43,20.9 28.42,20.9 28.4,20.89 28.33,20.89 28.28,20.89 28.26,20.89 28.25,20.89 28.24,20.88 28.24,20.87 28.23,20.87 28.23,20.85 28.22,20.84 28.22,20.7 28.23,20.69 28.23,20.68 28.24,20.67 28.24,20.67 28.25,20.66 28.26,20.66 28.28,20.65 28.4,20.65 28.42,20.65 28.43,20.65 28.44,20.64 28.46,20.63 28.47,20.61 28.47,20.6 28.47,20.58 28.47,20.49 28.47,20.47 28.47,20.46 28.46,20.44 28.44,20.43 28.43,20.42 28.42,20.42 28.38,20.41 28.37,20.41 28.35,20.4 28.34,20.39 28.33,20.37 28.33,20.36 28.33,20.34 28.33,19.15 25.64,16.47 25.53,16.47 25.52,16.47 23.58,16.47 23.28,16.77 20.51,16.77 v1(19.65,17.62)
  Bottom w0.114: U2.H8 20.02,17.25 v1(19.65,17.62)
/DDR3_Memory/CPU_DDR3/DRAM_D27: length 27.5
  Top w0.119: v1(27.77,33.44) 27.8,33.44 U1.AB11 ; v1(19.67,19.28) 19.7,19.28
  In2.Cu w0.119: v1(27.77,33.44) 27.54,33.44 27.15,33.82 26.79,33.82 26.55,33.59 26.55,32.46 26.27,32.18 26.2,32.18 25.81,31.76 25.81,30.81 25.6,30.6 25.6,25.81 25.6,25.78 25.61,25.74 25.63,25.72 25.65,25.69 25.68,25.68 25.71,25.67 25.74,25.66 25.79,25.66 25.83,25.66 25.86,25.65 25.88,25.63 25.91,25.61 25.92,25.58 25.94,25.55 25.94,25.52 25.94,25.49 25.92,25.46 25.91,25.43 25.88,25.41 25.86,25.39 25.83,25.38 25.79,25.37 25.48,25.37 25.45,25.37 25.43,25.36 25.41,25.35 25.39,25.33 25.37,25.31 25.36,25.28 25.36,25.26 25.36,25.2 25.36,25.18 25.37,25.15 25.39,25.13 25.41,25.11 25.43,25.1 25.45,25.09 25.48,25.09 25.79,25.09 25.83,25.08 25.86,25.07 25.88,25.05 25.91,25.03 25.92,25 25.94,24.97 25.94,24.94 25.94,24.91 25.92,24.88 25.91,24.85 25.88,24.83 25.86,24.81 25.83,24.8 25.79,24.8 25.48,24.8 25.45,24.79 25.43,24.79 25.41,24.77 25.39,24.75 25.37,24.73 25.36,24.7 25.36,24.68 25.36,24.63 25.36,24.6 25.37,24.58 25.39,24.55 25.41,24.53 25.43,24.52 25.45,24.51 25.48,24.51 25.79,24.51 25.83,24.5 25.86,24.49 25.88,24.48 25.91,24.45 25.92,24.43 25.94,24.4 25.94,24.36 25.94,24.33 25.92,24.3 25.91,24.27 25.88,24.25 25.86,24.23 25.83,24.22 25.79,24.22 25.74,24.22 25.71,24.22 25.68,24.21 25.65,24.19 25.63,24.17 25.61,24.14 25.6,24.11 25.6,24.07 25.89,23.78 25.89,23.01 25.75,22.87 25.75,22.3 25.83,22.22 25.83,22.02 25.85,21.99 25.85,21.37 25.67,21.19 25.67,20.66 25.47,20.46 24.28,20.46 24.06,20.25 24.06,19.95 23.8,19.68 23.49,19.68 22.66,18.84 22.6,18.84 22.57,18.84 22.54,18.85 22.51,18.87 22.49,18.89 22.47,18.92 22.46,18.95 22.46,18.98 22.46,19.03 22.46,19.06 22.44,19.1 22.43,19.12 22.4,19.15 22.38,19.16 22.35,19.17 22.31,19.18 22.28,19.17 22.25,19.16 22.22,19.15 22.2,19.12 22.18,19.1 22.17,19.06 22.17,19.03 22.17,18.64 22.17,18.61 22.16,18.58 22.14,18.55 22.12,18.53 22.09,18.51 22.06,18.5 22.03,18.5 21.99,18.5 21.96,18.51 21.94,18.53 21.91,18.55 21.9,18.58 21.88,18.61 21.88,18.64 21.88,18.69 21.88,18.73 21.87,18.76 21.85,18.78 21.83,18.81 21.8,18.82 21.77,18.83 21.74,18.84 20.65,18.82 20.3,18.82 20.04,19.08 19.77,19.08 19.67,19.18 v1(19.67,19.28) 19.83,19.28 ; 23.04,19.22 23.03,19.22 22.64,18.84